# KiCad board knobdeavour.kicad_pcb
title: Buran - ortho board; rev: 1; company: Scattered-lenity; note: scattered-lenity.space
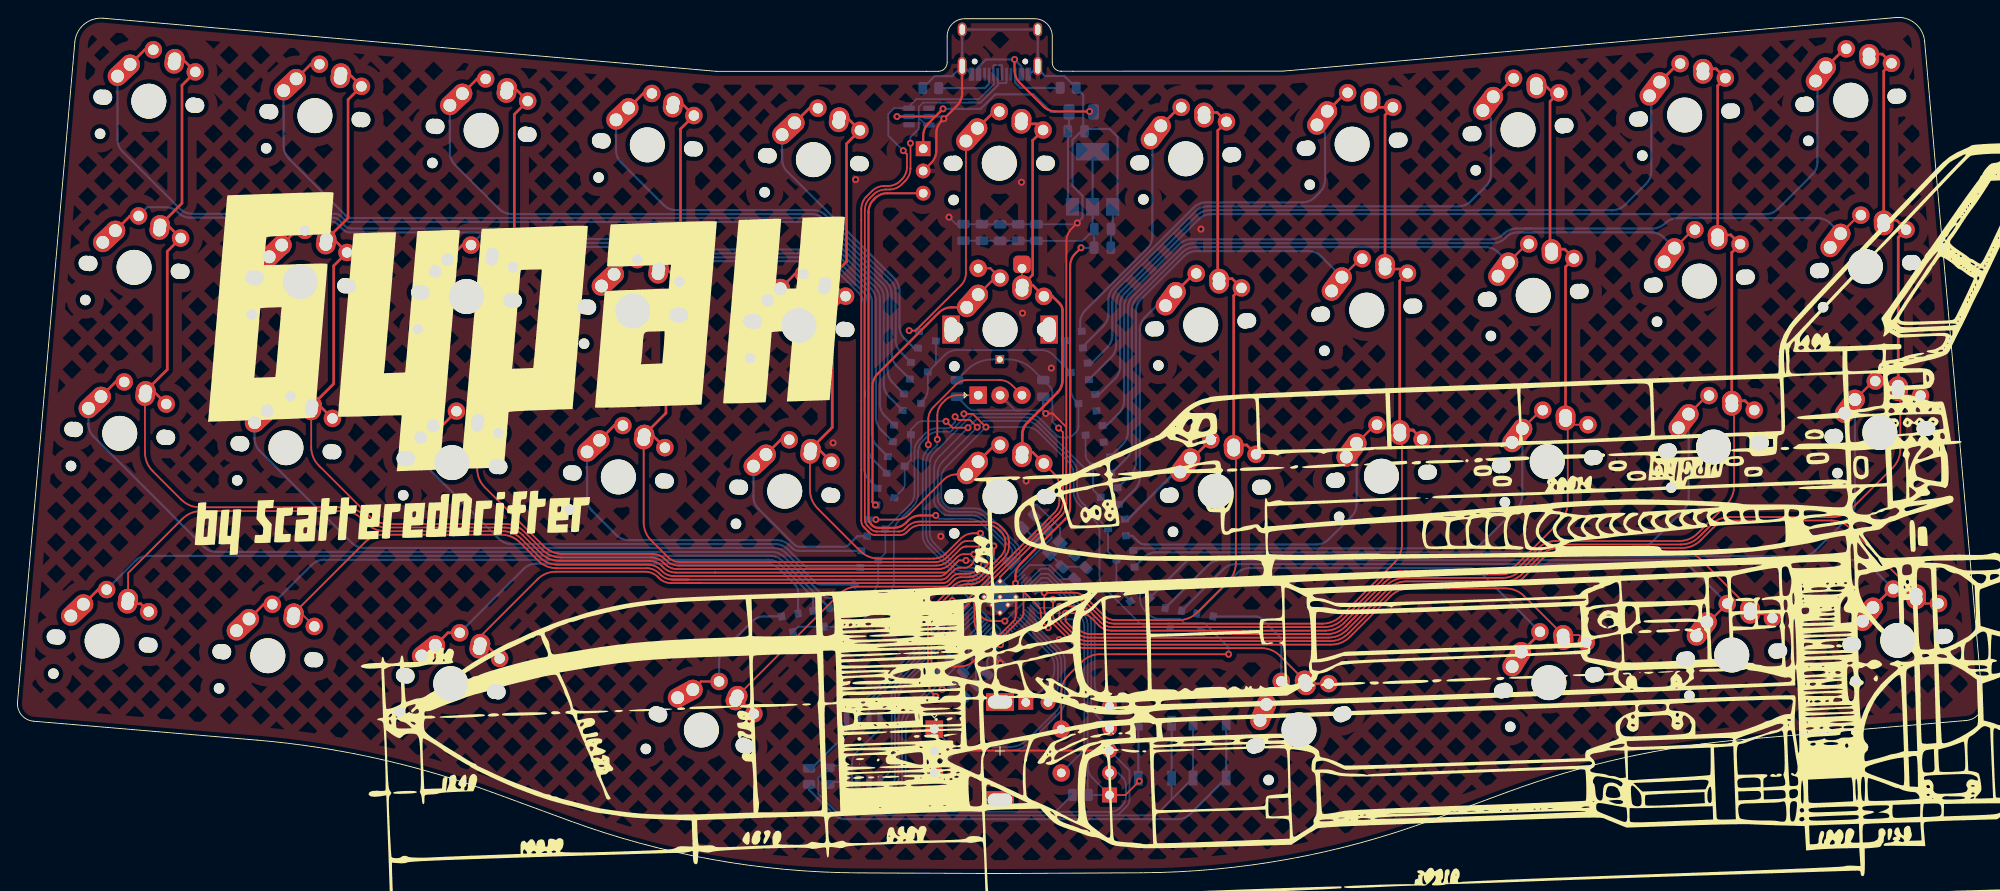
[diagram p0: board, top side]
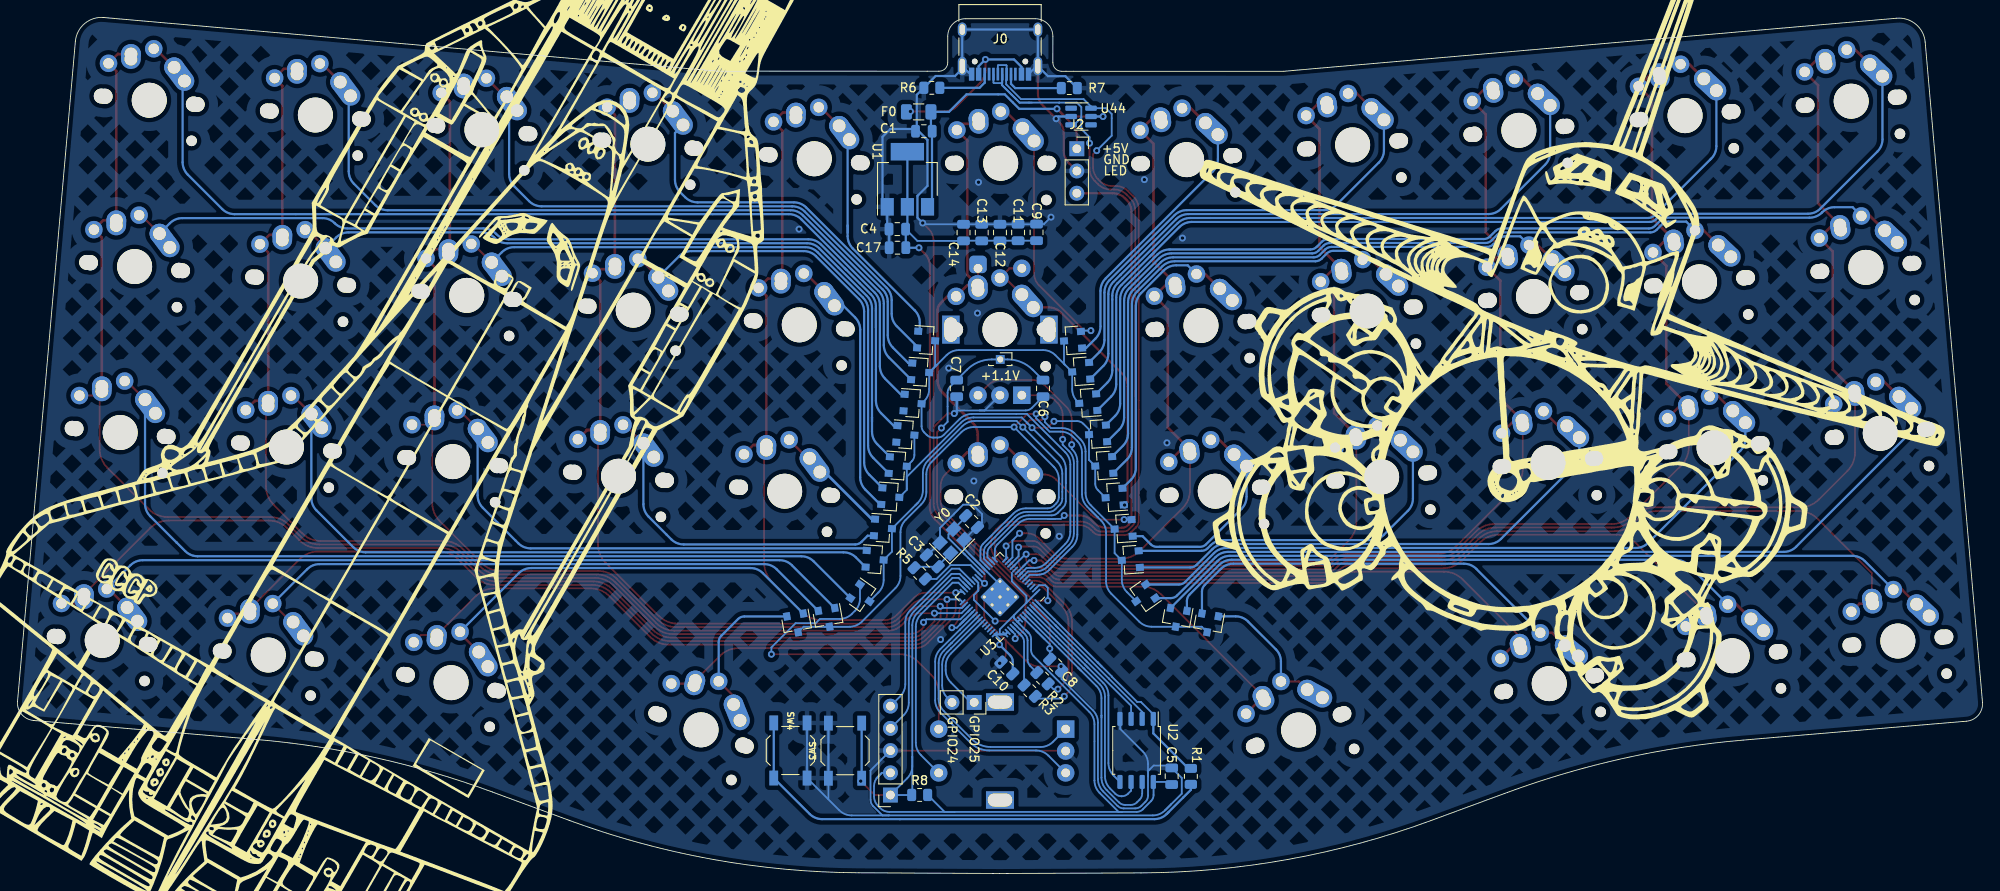
[diagram p1: board, bottom side, seen from below]

Outline 224.38 x 97.82 mm; copper layers: Top, Bottom. Coordinates in mm from the lower left corner of the outline.
Outline path: 0,19.56 6.54,95.01 arc(7.6,97.05) 9.79,97.74 79.81,91.67 103.82,91.68 104.66,91.68 105.16,91.68 arc(105.87,91.97) 106.16,92.68 106.16,95.68 arc(106.74,97.1) 108.16,97.68 116.16,97.68 arc(117.57,97.1) 118.16,95.68 118.16,92.68 arc(118.45,91.97) 119.16,91.68 120.51,91.68 144.52,91.7 214.53,97.82 arc(216.72,97.13) 217.78,95.1 224.38,19.65 arc(223.92,18.2) 222.56,17.49 197.05,15.31 arc(183.4,13.22) 170.15,9.31 161.4,6.08 arc(145.11,1.64) 128.3,0.08 112.26,0 96.1,0.07 arc(79.29,1.61) 62.99,6.04 54.24,9.27 arc(40.99,13.16) 27.34,15.24 1.82,17.4 arc(0.47,18.1) 0,19.56
Stack: Top 0.035mm / dielectric 1.51mm FR4 er 4.5 / Bottom 0.035mm

## Placement (name value [footprint] x y rotation side)
C1  10u  [C_0805_2012Metric]  120.89 84.83 0 bottom
C2  22pf  [C_0805_2012Metric]  115.44 40.22 225 bottom
C3  22pf  [C_0805_2012Metric]  119.93 35.73 45 bottom
C4  10u  [C_0805_2012Metric]  123.92 73.64 0 bottom
C5  100n  [C_0805_2012Metric]  92.59 11.12 90 bottom
C6  100n  [C_0805_2012Metric]  107.28 55.44 270 bottom
C7  100n  [C_0805_2012Metric]  117.14 55.44 270 bottom
C8  1u  [C_0805_2012Metric]  105.84 23.82 225 bottom
C9  100n  [C_0805_2012Metric]  108.02 73.27 90 bottom
C10  1u  [C_0805_2012Metric]  111.41 23.49 45 bottom
C11  100n  [C_0805_2012Metric]  110.13 73.26 90 bottom
C12  100n  [C_0805_2012Metric]  112.2 73.25 90 bottom
C13  100n  [C_0805_2012Metric]  114.28 73.25 90 bottom
C14  100n  [C_0805_2012Metric]  116.36 73.25 90 bottom
C17  10u  [C_0805_2012Metric]  123.9 71.52 0 bottom
D1  BAV70  [SOT-23]  102.15 53.8 356 bottom
D2  BAV70  [SOT-23]  101.03 50.23 356 bottom
D3  BAV70  [SOT-23]  95.82 31.68 325 bottom
D4  BAV70  [SOT-23]  91.96 29.19 280 bottom
D5  BAV70  [SOT-23]  102.95 57.39 356 bottom
D6  BAV70  [SOT-23]  100.32 46.63 356 bottom
D7  BAV70  [SOT-23]  97.29 35.86 356 bottom
D8  BAV70  [SOT-23]  88.37 28.57 280 bottom
D9  BAV70  [SOT-23]  103.88 60.93 356 bottom
D10  BAV70  [SOT-23]  99.14 43.01 356 bottom
D11  BAV70  [SOT-23]  98.11 39.43 356 bottom
D12  BAV70  [SOT-23]  122.15 53.75 184 bottom
D13  BAV70  [SOT-23]  120.6 60.95 184 bottom
D14  BAV70  [SOT-23]  124.69 43.06 184 bottom
D15  BAV70  [SOT-23]  125.53 39.48 184 bottom
D16  BAV70  [SOT-23]  135.42 28.56 260 bottom
D17  BAV70  [SOT-23]  121.28 57.32 184 bottom
D18  BAV70  [SOT-23]  123.84 46.61 184 bottom
D19  BAV70  [SOT-23]  126.48 35.9 184 bottom
D20  BAV70  [SOT-23]  131.83 29.19 260 bottom
D21  BAV70  [SOT-23]  122.97 50.17 184 bottom
D22  BAV70  [SOT-23]  127.91 31.68 215 bottom
F0  polyfuse  [Fuse_1206_3216Metric]  121.48 87.04 180 bottom
G***  LOGO  [buran-schematic]  137.75 36.66 2 top
G***#2  LOGO  [buranlike-drifter]  41.92 40.35 2 top
G***#3  LOGO  [buran-font]  62.63 62.17 2 top
G***#4  LOGO  [buran-front-facing]  43.43 67.35 200 bottom
G***#5  LOGO  [buran-back]  166.03 70.69 210 bottom
J0  USB_C_Receptacle_USB2.0  [USB_C_Receptacle_HRO_TYPE-C-31-M-12]  112.19 95.4 0 bottom
J1  BREAKOUT  [PinSocket_1x05_P2.54mm_Vertical]  124.7 8.97 0 bottom
J2  Conn_01x03_Male  [PinSocket_1x03_P2.54mm_Vertical]  103.42 82.82 180 bottom
J3  Conn_01x02_Female  [PinSocket_1x02_P2.54mm_Vertical]  115.14 19.55 270 bottom
J4  Conn_01x01_Male  [PinSocket_1x01_P1.27mm_Vertical]  112.16 58.75 180 bottom
K1  KEYSW  [MX-Alps-Choc-1U-NoLED]  14.99 88.26 355 top
K2  KEYSW  [MX-Alps-Choc-1U-NoLED]  13.31 69.27 355 top
K3  KEYSW  [MX-Alps-Choc-1U-NoLED]  11.67 50.3 355 top
K4  KEYSW  [MX-Alps-Choc-1U-NoLED]  9.66 26.57 355 top
K5  KEYSW  [MX-Alps-Choc-1U-NoLED]  33.96 86.61 355 top
K6  KEYSW  [MX-Alps-Choc-1U-NoLED]  32.31 67.62 355 top
K7  KEYSW  [MX-Alps-Choc-1U-NoLED]  30.65 48.66 355 top
K8  KEYSW  [MX-Alps-Choc-1U-NoLED]  28.58 24.89 355 top
K9  KEYSW  [MX-Alps-Choc-1U-NoLED]  52.94 84.93 355 top
K10  KEYSW  [MX-Alps-Choc-1U-NoLED]  51.27 65.94 355 top
K11  KEYSW  [MX-Alps-Choc-1U-NoLED]  49.61 46.96 355 top
K12  KEYSW  [MX-Alps-Choc-1U-NoLED]  49.47 21.7 350 top
K13  KEYSW  [MX-Alps-Choc-1U-NoLED]  71.92 83.27 355 top
K14  KEYSW  [MX-Alps-Choc-1U-NoLED]  70.26 64.28 355 top
K15  KEYSW  [MX-Alps-Choc-1U-NoLED]  68.61 45.32 355 top
K16  KEYSW  [MX-Alps-Choc-1U-NoLED]  78.09 16.4 340 top
K17  KEYSW  [MX-Alps-Choc-1U-NoLED]  90.88 81.58 355 top
K18  KEYSW  [MX-Alps-Choc-1U-NoLED]  89.24 62.63 355 top
K19  KEYSW  [MX-Alps-Choc-1U-NoLED]  87.61 43.69 355 top
K20  KEYSW  [MX-Alps-Choc-1U-NoLED]  209.34 88.37 5 top
K21  KEYSW  [MX-Alps-Choc-1U-NoLED]  112.11 81.17 0 top
K22  KEYSW  [MX-Alps-Choc-1U-NoLED]  112.2 62.16 0 top
K23  KEYSW  [MX-Alps-Choc-1U-NoLED]  112.19 43.07 0 top
K24  KEYSW  [MX-Alps-Choc-1U-NoLED]  211.01 69.36 5 top
K25  KEYSW  [MX-Alps-Choc-1U-NoLED]  133.4 81.68 5 top
K26  KEYSW  [MX-Alps-Choc-1U-NoLED]  135.11 62.7 5 top
K27  KEYSW  [MX-Alps-Choc-1U-NoLED]  136.78 43.69 5 top
K28  KEYSW  [MX-Alps-Choc-1U-NoLED]  146.33 16.42 20 top
K29  KEYSW  [MX-Alps-Choc-1U-NoLED]  152.4 83.35 5 top
K30  KEYSW  [MX-Alps-Choc-1U-NoLED]  154.07 64.38 5 top
K31  KEYSW  [MX-Alps-Choc-1U-NoLED]  155.75 45.4 5 top
K32  KEYSW  [MX-Alps-Choc-1U-NoLED]  174.87 21.81 10 top
K33  KEYSW  [MX-Alps-Choc-1U-NoLED]  171.35 85 5 top
K34  KEYSW  [MX-Alps-Choc-1U-NoLED]  173.08 66.07 5 top
K35  KEYSW  [MX-Alps-Choc-1U-NoLED]  174.68 47.07 5 top
K36  KEYSW  [MX-Alps-Choc-1U-NoLED]  195.75 24.97 5 top
K37  KEYSW  [MX-Alps-Choc-1U-NoLED]  190.37 86.68 5 top
K38  KEYSW  [MX-Alps-Choc-1U-NoLED]  192.05 67.7 5 top
K39  KEYSW  [MX-Alps-Choc-1U-NoLED]  193.67 48.74 5 top
K40  KEYSW  [MX-Alps-Choc-1U-NoLED]  214.71 26.64 5 top
K41  KEYSW  [MX-Alps-Choc-1U-NoLED]  212.66 50.4 5 top
R1  1k  [R_0805_2012Metric]  90.4 11.1 270 bottom
R2  27  [R_0805_2012Metric]  107.34 22.32 45 bottom
R3  27  [R_0805_2012Metric]  108.8 20.89 45 bottom
R5  1k  [R_0805_2012Metric]  121.36 34.3 45 bottom
R6  5.1k  [R_0805_2012Metric]  119.98 89.79 0 bottom
R7  5.1k  [R_0805_2012Metric]  104.28 89.76 180 bottom
R8  10K  [R_0805_2012Metric]  121.37 8.98 180 bottom
SW1  RotaryEncoder_Switch  [RotaryEncoder_EC11#2]  112.19 14 0 top
SW2  RotaryEncoder_Switch  [RotaryEncoder_EC11]  112.2 62.16 90 top
SW3  SW_PUSH  [SW_SPST_TL3342]  129.89 14.04 90 bottom
SW4  RESET  [SW_SPST_TL3342]  136.13 14.06 270 bottom
U1  NCP1117-3.3_SOT223  [SOT-223-3_TabPin2]  122.77 79.34 90 bottom
U2  W25Q128JVS  [SOIC-8_5.23x5.23mm_P1.27mm]  96.59 14.07 270 bottom
U3  RP2040  [RP2040-QFN-56]  112.19 31.6 315 bottom
U44  SRV05-4  [SOT-23-6]  102.94 86.51 180 bottom
Y0  12MHZ Crystal  [Crystal_SMD_3225-4Pin_3.2x2.5mm]  117.67 37.98 135 bottom

## Library data of the parts
C1 C4 C17 = -: LCSC: C91245
C2 C3 = -: LCSC: C1804
C5-C7 C9 C11-C14 = -: LCSC: C49678
C8 C10 = -: LCSC: C28323
D1-D22 = -: LCSC: C68978
F0 = -: LCSC: C69688
J0 = -: LCSC: C165948
R1 R5 = -: LCSC: C115316
R2 R3 = -: LCSC: C104170
R6 R7 = -: LCSC: C27834
R8 = -: LCSC: C115309
SW3 SW4 = -: LCSC: C318884
U1 = -: LCSC: C26537
U2 = -: LCSC: C97521
U3 = -: LCSC: C2040
U44 = -: LCSC: C85364
Y0 = -: LCSC: C9002

## Footprints (pads in the part's own frame, mm; a bottom-side part is the same pattern mirrored in y, then rotated)
C_0805_2012Metric
  rrect 1x1.45 smd: 1(-0.95,0) 2(0.95,0)
Crystal_SMD_3225-4Pin_3.2x2.5mm
  rect 1.4x1.2 smd: 1(-1.1,-0.85) 2(1.1,-0.85) 3(1.1,0.85) 4(-1.1,0.85)
Fuse_1206_3216Metric
  rrect 1.25x1.75 smd: 1(-1.4,0) 2(1.4,0)
MX-Alps-Choc-1U-NoLED
  round 1.7 hole 1.7 unplated: (-5.5,0) (5.5,0)
  round 1.2 hole 1.2 unplated: (-5.22,-4.2)
  round 1.75 hole 1.75 unplated: (-5.08,0) (5.08,0)
  round 3.988 hole 3.988 unplated: (0,0)
  oval 2.831x2.25 hole 1.47 rot 86.1: 1(2.5,4.5)
  round 2.25 hole 1.47: 1(2.54,5.08) 2(-2.5,4)
  round 2 hole 1.2: 1(5,3.8) 2(0,5.9)
  oval 4.212x2.25 hole 1.47 rot 48.1: 2(-3.81,2.54)
PinSocket_1x01_P1.27mm_Vertical
  rect 1x1 hole 0.7: 1(0,0)
PinSocket_1x02_P2.54mm_Vertical
  rect 1.7x1.7 hole 1: 1(0,0)
  oval 1.7x1.7 hole 1: 2(0,-2.54)
PinSocket_1x03_P2.54mm_Vertical
  rect 1.7x1.7 hole 1: 1(0,0)
  oval 1.7x1.7 hole 1: 2(0,-2.54) 3(0,-5.08)
PinSocket_1x05_P2.54mm_Vertical
  rect 1.7x1.7 hole 1: 1(0,0)
  oval 1.7x1.7 hole 1: 2(0,-2.54) 3(0,-5.08) 4(0,-7.62) 5(0,-10.16)
R_0805_2012Metric
  rrect 1.025x1.4 smd: 1(-0.912,0) 2(0.912,0)
RotaryEncoder_EC11
  rect 3.2x2 hole 2.8x1.5 unplated: (0,5.6) (0,-5.6)
  rect 2x2 hole 1: A(-7.5,2.5)
  round 2 hole 1: B(-7.5,-2.5) C(-7.5,0) S2(7,2.5)
  rrect 2x2 hole 1: S1(7,-2.5)
RotaryEncoder_EC11#2
  rect 3.2x2 hole 2.8x1.5 unplated: (0,5.6) (0,-5.6)
  rect 2x2 hole 1: A(-7.5,2.5)
  round 2 hole 1: B(-7.5,-2.5) C(-7.5,0) S1(7,-2.5) S2(7,2.5)
RP2040-QFN-56
  rrect 1.084x1.084 smd: (-0.637,-0.637) (-0.637,0.637) (0.637,-0.637) (0.637,0.637)
  rrect 0.875x0.2 smd: 1(-3.438,2.6) 2(-3.438,2.2) 3(-3.438,1.8) 4(-3.438,1.4) 5(-3.438,1) 6(-3.438,0.6) 7(-3.438,0.2) 8(-3.438,-0.2) 9(-3.438,-0.6) 10(-3.438,-1) 11(-3.438,-1.4) 12(-3.438,-1.8) 13(-3.438,-2.2) 14(-3.438,-2.6) 29(3.438,-2.6) 30(3.438,-2.2) 31(3.438,-1.8) 32(3.438,-1.4) 33(3.438,-1) 34(3.438,-0.6) 35(3.438,-0.2) 36(3.438,0.2) 37(3.438,0.6) 38(3.438,1) 39(3.438,1.4) 40(3.438,1.8) 41(3.438,2.2) 42(3.438,2.6)
  rrect 0.2x0.875 smd: 15(-2.6,-3.438) 16(-2.2,-3.438) 17(-1.8,-3.438) 18(-1.4,-3.438) 19(-1,-3.438) 20(-0.6,-3.438) 21(-0.2,-3.438) 22(0.2,-3.438) 23(0.6,-3.438) 24(1,-3.438) 25(1.4,-3.438) 26(1.8,-3.438) 27(2.2,-3.438) 28(2.6,-3.438) 43(2.6,3.438) 44(2.2,3.438) 45(1.8,3.438) 46(1.4,3.438) 47(1,3.438) 48(0.6,3.438) 49(0.2,3.438) 50(-0.2,3.438) 51(-0.6,3.438) 52(-1,3.438) 53(-1.4,3.438) 54(-1.8,3.438) 55(-2.2,3.438) 56(-2.6,3.438)
  round 0.6 hole 0.35: 57(-1.275,-1.275) 57(-1.275,0) 57(-1.275,1.275) 57(0,-1.275) 57(0,0) 57(0,1.275) 57(1.275,-1.275) 57(1.275,0) 57(1.275,1.275)
  rrect 3.2x3.2 smd: 57(0,0)
SOIC-8_5.23x5.23mm_P1.27mm
  rrect 1.6x0.6 smd: 1(-3.6,1.905) 2(-3.6,0.635) 3(-3.6,-0.635) 4(-3.6,-1.905) 5(3.6,-1.905) 6(3.6,-0.635) 7(3.6,0.635) 8(3.6,1.905)
SOT-23
  rect 0.9x0.8 smd: 1(-1,0.95) 2(-1,-0.95) 3(1,0)
SOT-23-6
  rrect 1.325x0.6 smd: 1(-1.137,0.95) 2(-1.137,0) 3(-1.137,-0.95) 4(1.137,-0.95) 5(1.137,0) 6(1.137,0.95)
SOT-223-3_TabPin2
  rect 2x1.5 smd: 1(-3.15,2.3) 2(-3.15,0) 3(-3.15,-2.3)
  rect 2x3.8 smd: 2(3.15,0)
SW_SPST_TL3342
  rect 1.7x1 smd: 1(-3.15,1.9) 1(3.15,1.9) 2(-3.15,-1.9) 2(3.15,-1.9)
USB_C_Receptacle_HRO_TYPE-C-31-M-12
  round 0.65 hole 0.65 unplated: (-2.89,2.6) (2.89,2.6)
  rect 0.6x1.45 smd: A1(-3.25,4.045) A4(-2.45,4.045) A9(2.45,4.045) A12(3.25,4.045) B1(3.25,4.045) B4(2.45,4.045) B9(-2.45,4.045) B12(-3.25,4.045)
  rect 0.3x1.45 smd: A5(-1.25,4.045) A6(-0.25,4.045) A7(0.25,4.045) A8(1.25,4.045) B5(1.75,4.045) B6(0.75,4.045) B7(-0.75,4.045) B8(-1.75,4.045)
  oval 1x1.6 hole 0.6x1.2: S1(-4.32,-1.05) S1(4.32,-1.05)
  oval 1x2.1 hole 0.6x1.7: S1(-4.32,3.13) S1(4.32,3.13)

## Nets
+1V1: C6.1 C7.1 C8.1 J4.1 U3.23 U3.45 U3.50
+3V3: C4.1 C5.1 C9.1 C10.1 C11.1 C12.1 C13.1 C14.1 C17.1 J1.2 R8.2 U1.2 U2.8 U3.1 U3.10 U3.22 U3.33 U3.42 U3.43 U3.44 U3.48 U3.49
+5V: C1.1 F0.2 J2.1 U1.3 U44.5
GND: C1.2 C2.2 C3.2 C4.2 C5.2 C6.2 C7.2 C8.2 C9.2 C10.2 C11.2 C12.2 C13.2 C14.2 C17.2 J0.A1 J0.A12 J0.B1 J0.B12 J0.S1 J1.3 J2.2 R6.2 R7.2 SW1.C SW2.C SW3.1 SW4.1 U1.1 U2.4 U3.19 U3.57 U44.2 Y0.2 Y0.4
VBUS: F0.1 J0.A4 J0.A9 J0.B4 J0.B9
/GPIO26_ADC0: U3.38
/GPIO27_ADC1: U3.39
/GPIO28_ADC2: U3.40
/GPIO29_ADC3: U3.41
/QSPI_SCLK: U2.6 U3.52
/QSPI_SD0: U2.5 U3.53
/QSPI_SD1: U2.2 U3.55
/QSPI_SD2: U2.3 U3.54
/QSPI_SD3: U2.7 U3.51
/QSPI_SS: R1.1 U2.1 U3.56
/RUN: J1.1 R8.1 SW3.2 U3.26
/SWCLK: J1.5 U3.24
/SWD: J1.4 U3.25
/USB_D+: J0.A6 J0.B6 R2.1 U44.3
/USB_D-: J0.A7 J0.B7 R3.1 U44.6
/XIN: C2.1 U3.20 Y0.3
/XOUT: R5.1 U3.21
/~{USB_BOOT}: R1.2 SW4.2
additional_pin1: J3.2 U3.36
additional_pin2: J3.1 U3.37
COL0: K1.1 K2.1 K3.1 K4.1 U3.9
COL1: K5.1 K6.1 K7.1 K8.1 U3.11
COL2: K9.1 K10.1 K11.1 K12.1 U3.12
COL3: K13.1 K14.1 K15.1 K16.1 U3.14
COL4: K17.1 K18.1 K19.1 U3.13
COL5: K21.1 K22.1 K23.1 SW2.S1 U3.2
COL6: K25.1 K26.1 K27.1 K28.1 U3.28
COL7: K29.1 K30.1 K31.1 K32.1 U3.29
COL8: K33.1 K34.1 K35.1 K36.1 U3.30
COL9: K37.1 K38.1 K39.1 K40.1 U3.31
COL10: K20.1 K24.1 K41.1 U3.32
KNOB2_L: SW2.A U3.7
KNOB2_R: SW2.B U3.6
KNOB2_ROW: D10.1 K22.2 SW2.S2
KNOB_COL: SW1.S1 U3.27
KNOB_DIODE: D22.1 SW1.S2
KNOB_L: SW1.A U3.35
KNOB_R: SW1.B U3.34
LED_GLOW: J2.3 U3.15
ROW0: D1.3 D5.3 D9.3 D12.3 D13.3 D17.3 U3.8
ROW1: D2.3 D6.3 D10.3 D14.3 D18.3 D21.3 U3.16
ROW2: D3.3 D7.3 D11.3 D15.3 D19.3 D22.3 U3.17
ROW3: D4.3 D8.3 D16.3 D20.3 U3.18
Net-(C3-Pad1): C3.1 R5.2 Y0.1
Net-(D1-Pad1): D1.1 K1.2
Net-(D1-Pad2): D1.2 K5.2
Net-(D2-Pad1): D2.1 K6.2
Net-(D2-Pad2): D2.2 K2.2
Net-(D3-Pad1): D3.1 K3.2
Net-(D3-Pad2): D3.2 K7.2
Net-(D4-Pad1): D4.1 K8.2
Net-(D4-Pad2): D4.2 K4.2
Net-(D5-Pad1): D5.1 K9.2
Net-(D5-Pad2): D5.2 K13.2
Net-(D6-Pad1): D6.1 K14.2
Net-(D6-Pad2): D6.2 K10.2
Net-(D7-Pad1): D7.1 K11.2
Net-(D7-Pad2): D7.2 K15.2
Net-(D8-Pad1): D8.1 K16.2
Net-(D8-Pad2): D8.2 K12.2
Net-(D9-Pad1): D9.1 K17.2
Net-(D9-Pad2): D9.2 K21.2
Net-(D10-Pad2): D10.2 K18.2
Net-(D11-Pad1): D11.1 K19.2
Net-(D11-Pad2): D11.2 K23.2
Net-(D12-Pad1): D12.1 K20.2
Net-(D13-Pad1): D13.1 K25.2
Net-(D13-Pad2): D13.2 K29.2
Net-(D14-Pad1): D14.1 K30.2
Net-(D14-Pad2): D14.2 K26.2
Net-(D15-Pad1): D15.1 K27.2
Net-(D15-Pad2): D15.2 K31.2
Net-(D16-Pad1): D16.1 K32.2
Net-(D16-Pad2): D16.2 K28.2
Net-(D17-Pad1): D17.1 K33.2
Net-(D17-Pad2): D17.2 K37.2
Net-(D18-Pad1): D18.1 K38.2
Net-(D18-Pad2): D18.2 K34.2
Net-(D19-Pad1): D19.1 K35.2
Net-(D19-Pad2): D19.2 K39.2
Net-(D20-Pad1): D20.1 K40.2
Net-(D20-Pad2): D20.2 K36.2
Net-(D21-Pad1): D21.1 K24.2
Net-(D22-Pad2): D22.2 K41.2
Net-(J0-PadA5): J0.A5 R7.1
Net-(J0-PadB5): J0.B5 R6.1
Net-(R2-Pad2): R2.2 U3.47
Net-(R3-Pad2): R3.2 U3.46

Pads without a net: D12 2; D21 2; J0 A8 B8; U3 3 4 5; U44 1 4

## Via types
v1: diameter 0.8, hole 0.4, Top to Bottom, 57 vias

## Routing (per net, layer and track width the routed paths; a pad name or vN(x,y) marks a point on that pad's centre or on a via; arc(x,y) is an arc through that point)
+1V1: length 75.5
  Top w0.2: 109.28,31.13 109.28,28.84 arc(109.44,28.08) 109.87,27.43 v1(110.46,26.84) 110.74,26.84 ; 109.28,31.13 109.28,30.11 109.96,29.43 arc(110.61,29) 111.38,28.85 v1(112.75,28.85) ; 109.28,31.13 109.28,31.53 ; 107.82,30.07 107.1,29.35 arc(106.66,28.7) 106.51,27.93 v1(106.51,25.71) ; 107.82,30.07 109.28,31.53 ; 107.82,30.07 107.68,29.93 ; 109.28,31.53 118.47,40.72 ; 118.47,40.72 118.79,41.04 arc(119.22,41.69) 119.37,42.45 119.37,50.42 v1(118.89,50.91) ; 118.47,40.72 118.72,40.97
  Bottom w0.2: U3.23 114.67,33.23 114.67,32.9 ; 114.67,32.35 114.67,32.9 ; 114.67,32.9 114.67,32.31 115.17,31.82 115.17,31.27 v1(112.75,28.85) ; 109.28,28.97 U3.50 108.06,27.75 ; 110.46,26.67 v1(110.46,26.84) 110.46,27.32 U3.45 110.73,27.59 ; 107.1,26.79 108.06,27.75 ; 108.06,27.75 106.51,26.2 v1(106.51,25.71) C8.1 ; C6.1 108.47,57.58 arc(109.77,58.44) 111.3,58.75 J4.1 113.13,58.75 arc(114.66,58.44) 115.95,57.58 117.89,55.65 arc(118.1,55.32) 118.18,54.94 118.18,51.62 v1(118.89,50.91)
+3V3: length 183
  Top w0.2: v1(117.69,28.09) 117.43,28.35 arc(117,29) 116.84,29.76 116.84,29.86 arc(116.77,30.24) 116.55,30.56 114.88,32.24 ; v1(113.96,33.16) 114.88,32.24 ; 114.88,32.24 114.88,29.84 arc(114.8,29.45) 114.59,29.13 112.25,26.79 v1(112.25,26.15)
  Top w0.25: 121.29,71.51 v1(121.45,71.51) 120.78,70.84 arc(120.35,70.19) 120.2,69.43 120.2,41.89 arc(120.05,41.12) 119.61,40.47 114.54,35.4 arc(114.11,34.75) 113.96,33.99 v1(113.96,33.16)
  Bottom w0.2: 117.4,7.04 118.52,7.04 R8.2 ; 117.4,7.04 124.82,7.04 arc(125.39,7.15) 125.88,7.48 126.14,7.74 arc(126.46,8.22) 126.58,8.8 126.58,9.99 arc(126.46,10.56) 126.14,11.05 125.77,11.42 ; 117.4,7.04 98.28,7.04 ; v1(112.25,26.15) 112.25,26.83 112.75,27.33 ; 109.23,27.79 U3.48 ; 109.23,27.79 108.94,27.49 ; 109.23,27.79 108.94,27.49 arc(108.72,27.17) 108.64,26.79 108.64,25.54 arc(108.57,25.15) 108.35,24.83 101.99,18.47 arc(101.56,17.82) 101.41,17.06 101.41,10.63 arc(101.25,9.86) 100.82,9.21 98.64,7.04 98.28,7.04 ; 109.18,30.94 109.18,31.74 110.85,33.4 110.85,34.36 ; 109.18,30.94 U3.1 ; 109.18,30.94 110.61,29.51 ; v1(117.69,28.09) 117.12,28.09 116.25,28.96 ; C5.1 92.89,10.47 U2.8 94.66,10.44 94.66,8.97 arc(94.73,8.59) 94.95,8.26 95.89,7.33 arc(96.21,7.11) 96.59,7.04 98.28,7.04 ; C9.1 116.34,72.32 C14.1 121.63,72.3 C4.1 ; U3.22 114.04,33.16 v1(113.96,33.16) ; J1.2 125.68,11.51 125.77,11.42 ; 116.25,28.96 116.78,28.43 ; 116.25,28.96 116.11,29.1 ; 112.22,27.33 112.22,27.9 110.61,29.51 ; 116.6,28.61 U3.33 115.33,29.87 116.11,29.1 ; U3.48 110.19,28.77 110.61,29.19 110.61,29.51 ; U3.48 U3.49 ; 116.11,29.1 116.41,28.8 116.76,28.45 ; 126.3,10.89 125.77,11.42 ; 117.46,28.08 117.58,28.08
  Bottom w0.25: 111.34,27.59 U3.43 112.75,27.33 112.77,27.31 ; U1.2 U1.2 122.77,73.84 C4.1 122.95,73.62 C17.1 122.94,71.51 v1(121.45,71.51) ; v1(112.25,26.15) 111.03,24.93 arc(110.81,24.6) 110.74,24.22 C10.1
+5V: length 39.4
  Top w0.25: v1(100.43,86.51) 104.82,86.51 v1(105.69,87.39) 104.01,85.71 arc(103.58,85.06) 103.42,84.29 J2.1
  Bottom w0.25: U1.3 119.96,76.7 119.96,84.81 C1.1 120.08,84.97 F0.2 118.02,87.04 116.02,89.04 111.65,89.04 110,87.39 v1(105.69,87.39) ; v1(100.43,86.51) U44.5
GND: length 339.1
  Top w0.2: U3.57 112.19,33.88 115.58,37.26 ; v1(121.02,74.34) 120.36,73.68 arc(119.93,73.03) 119.77,72.27 119.77,42.29 arc(119.62,41.52) 119.19,40.87 115.58,37.26 ; 111.82,26.93 111.52,26.63 111.52,25.15 arc(111.59,24.77) 111.81,24.44 v1(112.23,24.03) ; 111.82,26.93 113.7,28.81 arc(113.92,29.14) 114,29.52 U3.57 ; 111.82,26.93 110.9,26.01 ; 110.9,26.01 109.14,24.25 arc(108.49,23.82) 107.73,23.67 v1(105.23,23.67) ; 110.9,26.01 110.73,25.84 ; SW1.C 104.74,14.05 J1.3 ; 115.58,37.26 119.29,40.98 ; 119.77,51.01 118.22,52.57 v1(117.42,52.57)
  Top w0.25: J2.2 104.33,81.19 arc(104.77,81.84) 104.92,82.61 104.92,84.56 arc(105.07,85.32) 105.5,85.97 v1(105.78,86.25) ; J0.S1 107.87,89.17 arc(107.72,88.4) 107.28,87.75 v1(105.78,86.25) ; v1(105.78,86.25) 106.03,86.5
  Bottom w0.2: 92.65,7.9 91.44,9.12 91.44,10.92 C5.2 92.86,12.34 94.65,12.34 95.29,11.7 95.29,11.1 ; 92.65,7.9 93.33,7.23 ; 92.65,7.9 93.33,7.22 arc(93.98,6.79) 94.75,6.64 124.88,6.64 ; 114.5,52.92 117.07,52.92 v1(117.42,52.57) 117.13,52.85 117.13,54.5 ; 114.5,52.92 113.94,52.92 SW2.C 112.2,54.76 ; 114.5,52.92 109.26,52.92 arc(108.88,52.99) 108.55,53.21 107.28,54.48 C6.2 ; 114,31.21 U3.57 ; 124.88,6.64 129.13,6.64 arc(129.9,6.79) 130.54,7.22 SW4.1 SW4.1 ; 124.88,6.64 125.62,6.64 126.69,7.71 arc(126.9,8.03) 126.98,8.41 126.98,11.77 J1.3 ; C3.2 120.45,36.4 Y0.4 119.05,39.5 116.4,42.15 115.31,42.15 114.25,41.09 114.25,40.06 C2.2 114.9,39.55 Y0.2 116.29,37.11 U3.19 ; v1(121.02,74.34) 120.88,74.2 C14.2 108.04,74.2 C9.2 107.16,74.22 v1(106.37,75.01) ; U3.19 112.58,33.4 U3.57 ; U3.19 115.74,36.56 ; 95.29,11.1 95.29,8.91 arc(95.36,8.52) 95.58,8.2 96.05,7.73 arc(96.37,7.51) 96.76,7.44 98.06,7.44 arc(98.45,7.51) 98.77,7.73 100.42,9.38 arc(100.85,10.03) 101.01,10.79 101.01,17.25 arc(101.16,18.01) 101.59,18.66 105.17,22.24 C8.2 ; 95.29,11.1 95.29,12.52 arc(95.44,13.28) 95.87,13.93 98.47,16.53 98.47,17.64 U2.4 ; 117.13,54.5 117.13,52.53 ; 117.13,54.5 117.13,53.71 ; 131.79,8.47 SW3.1
  Bottom w0.25: C1.2 121.69,84.97 121.69,88.98 R6.2 119.54,91.14 117.33,91.14 116.51,91.96 J0.S1 ; C1.2 122.1,85.09 124.71,85.09 125.62,84.18 125.62,76.74 U1.1 125.07,73.84 C4.2 124.85,73.62 C17.2 ; C1.2 121.48,84.83 120.48,83.83 120.48,78.58 121.62,77.44 121.62,74.94 v1(121.02,74.34) ; J0.S1 J0.S1 J0.S1 J0.S1 ; J0.S1 106.72,91.12 104.73,91.12 R7.2 ; J0.S1 108.02,92.27 J0.A1 ; SW4.1 134.23,10.56 ; SW3.1 SW3.1 ; J0.A12 115.59,91.35 J0.S1 ; v1(105.78,86.25) 105.53,86.51 U44.2
  vias: v1(91.36,72.62) v1(93.13,49.22) v1(95.71,79.3) v1(105.43,38.54) v1(114.65,79) v1(114.77,64.04) v1(115.18,44.86) v1(118.05,57.76) v1(118.98,26.74) v1(135.14,73.64)
VBUS: length 19.4
  Top w0.25: v1(113.86,93.03) 113.86,91.79 arc(114.01,91.02) 114.44,90.37 117.14,87.67 arc(117.79,87.24) 118.56,87.09 v1(122.42,87.09)
  Bottom w0.25: J0.A4 109.74,92.18 110.59,93.03 v1(113.86,93.03) 114.64,92.25 J0.A9
/QSPI_SCLK: length 28.1
  Bottom w0.2: 102.66,23.48 102.51,23.33 ; 102.66,23.48 102.66,23.48 100.79,21.61 arc(100.36,20.96) 100.21,20.2 100.21,11.13 arc(100.06,10.36) 99.62,9.71 99.03,9.12 arc(98.71,8.9) 98.32,8.83 98.28,8.83 arc(97.9,8.9) 97.58,9.12 97.23,9.47 U2.6 ; 102.66,23.48 105.43,26.25 105.43,26.25 U3.52
/QSPI_SD0: length 24.3
  Bottom w0.2: 102.49,23.87 100.39,21.78 arc(99.96,21.13) 99.81,20.36 99.81,12.61 arc(99.66,11.84) 99.22,11.19 U2.5 ; 102.49,23.87 102.11,23.49 ; 102.49,23.87 105.75,27.13 105.75,27.13 U3.53
/QSPI_SD1: length 18.5
  Bottom w0.2: U3.55 105.83,28.35 ; 105.83,28.35 105.83,28.34 99.77,22.28 99.77,22.28 95.96,18.47 U2.2 ; 105.83,28.35 105.55,28.06 105.55,28.06
/QSPI_SD2: length 17.8
  Bottom w0.2: U3.54 102.24,24.19 ; 102.24,24.19 97.23,19.17 U2.3 ; 102.24,24.19 102.47,24.42
/QSPI_SD3: length 31.3
  Bottom w0.2: U2.7 95.96,9.14 arc(96.03,8.76) 96.25,8.44 96.56,8.13 arc(96.88,7.91) 97.26,7.84 97.9,7.84 arc(98.28,7.91) 98.6,8.13 100.02,9.55 arc(100.45,10.19) 100.61,10.96 100.61,18.06 ; 103.27,23.52 109.34,29.59 U3.51 ; 103.27,23.52 102.91,23.16 ; 103.27,23.52 101.19,21.45 arc(100.76,20.8) 100.61,20.03 100.61,18.06 ; 100.61,18.06 100.61,17.8
/QSPI_SS: length 27.3
  Bottom w0.2: U2.1 94.69,18.19 96.1,19.61 96.53,19.61 99.42,22.5 99.42,22.52 101.03,24.12 101.04,24.12 ; 100.59,23.67 100.59,23.67 101.04,24.12 ; U3.56 101.04,24.12
  Bottom w0.25: R1.1 90.68,12.01 94.69,16.02 U2.1
/RUN: length 47.9
  Top w0.2: J1.1 126.51,8.97 v1(128.1,10.56)
  Bottom w0.2: 116.45,33.31 U3.26 116.92,33.78 117.62,33.78 121.62,29.78 arc(122.06,29.13) 122.21,28.36 122.21,13.34 ; 122.21,13.34 122.21,9.05 R8.1 122.29,8.97 J1.1 122.79,10.88 arc(122.36,11.53) 122.21,12.29 122.21,13.34 ; 128.02,10.91 127.84,10.91
  Bottom w0.25: 124.69,8.98 J1.1 ; SW3.2 SW3.2
/SWCLK: length 21.4
  Bottom w0.2: J1.5 123.59,20.24 arc(123.16,20.89) 123.01,21.65 123.01,28.69 arc(122.86,29.46) 122.42,30.11 117.69,34.84 116.85,34.84 115.33,33.32 U3.24